# Altium PCB PLCC-RP2350B-PSRAM.PcbDoc (continued)
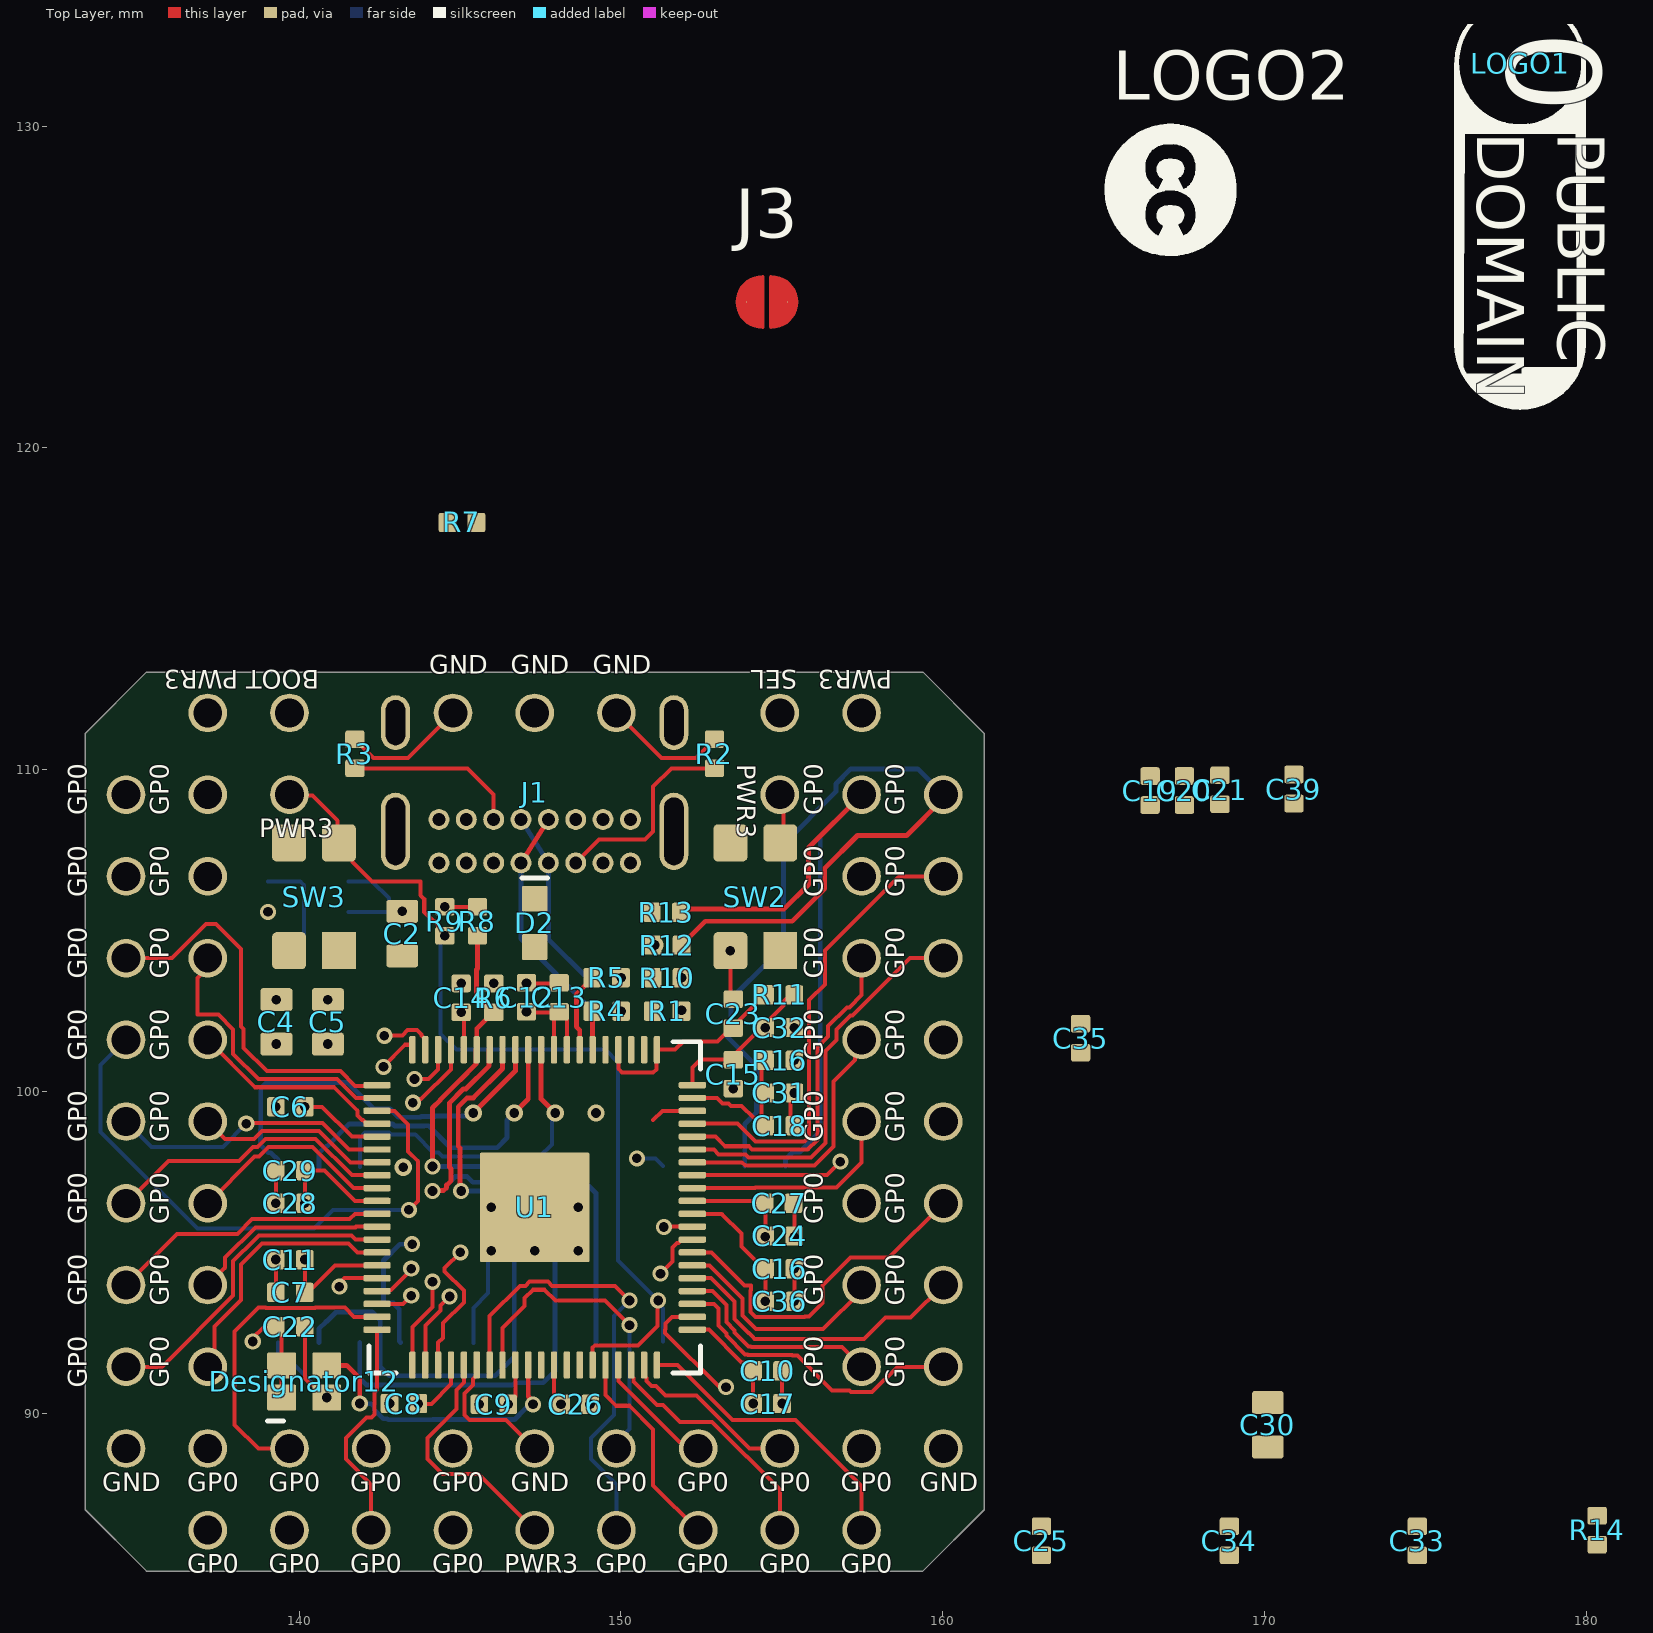
[diagram p0: Top Layer view]
## Footprints (in the part's own frame and the unit in brackets; to place one, negate y for a bottom-side part, rotate by r counter-clockwise, add the part's x,y. Pads: shape width x height; smd on the part's side, far side on the other; paste and mask are expansions set on the pad)
CAPC0402 [mm] "CAPACITOR, CHIP 0402 (1005) 0.5MM THICK"
  rrect25% 0.55x0.6 smd paste+0 mask+0.075: 1(-0.45,0) 2(0.45,0)
  body extent -0.51,-0.25 0.51,0.26, height 0.52
CAPC0603 [mm] "CAPACITOR, CHIP 0603 (1608) 0.5MM THICK"
  rrect25% 0.72x0.99 smd paste+0 mask+0.075: 1(-0.69,0) 2(0.69,0)
  body extent -0.81,-0.41 0.81,0.41, height 0.51
CONN-GCT-USB4085 [mm]
  rrect100% 0.9x2.4 hole 2.1 slot 0.6 at 0 deg paste-2539.97 mask+0: 1(-4.325,3.045) 2(4.325,3.045)
  rrect100% 0.9x1.7 hole 1.4 slot 0.6 at 0 deg paste-2539.97 mask+0: 3(-4.325,-0.335) 4(4.325,-0.335)
  round 0.65 hole 0.4 paste-2539.97 mask+0: A1(-2.975,4.025) A4(-2.125,4.025) A5(-1.275,4.025) A6(-0.425,4.025) A7(0.425,4.025) A8(1.275,4.025) A9(2.125,4.025) A12(2.975,4.025) B1(2.975,2.675) B4(2.125,2.675) B5(1.275,2.675) B6(0.425,2.675) B7(-0.425,2.675) B8(-1.275,2.675) B9(-2.125,2.675) B12(-2.975,2.675)
  body extent -4.87,-4.83 4.87,4.83, height 0.25
IND-ABRACON-ASPI-3012S-3R9N-T [mm]
  rrect8% 1.2x2.7 smd mask+0.05: 1(-1.1,0) 2(1.1,0)
  Top Layer keep-out region: -0.3,1.7 0.3,1.7 0.3,-1.7 -0.3,-1.7
  body extent -1.5,-1.5 1.5,1.5, height 1.51
LED-0603-BLUE [mm]
  rrect12% 0.8x0.8 smd paste+0 mask+0.05: 1(0.75,0) 2(-0.75,0)
  silkscreen extent 1.4,-0.4 1.4,0.4, body extent -0.8,-0.4 0.8,0.4, height 0.9
LOGO-LICENSE-CC [mm]
  silkscreen extent -2.08,-2.05 2.03,2.05
LOGO-LICENSE-CC0-PUBLIC [mm]
  silkscreen extent -1.97,-1.97 10.7,1.97
QFN40P1000X1000X90_HS-81N [mm] "QFN, 80-Leads, Body 10.00x10.00mm, Pitch 0.40mm, Thermal Pad 3.40x3.40mm, IPC Medium Density"
  rrect50% 0.85x0.2 smd mask+0.05: 1(-4.9,3.8) 2(-4.9,3.4) 3(-4.9,3) 4(-4.9,2.6) 5(-4.9,2.2) 6(-4.9,1.8) 7(-4.9,1.4) 8(-4.9,1) 9(-4.9,0.6) 10(-4.9,0.2) 11(-4.9,-0.2) 12(-4.9,-0.6) 13(-4.9,-1) 14(-4.9,-1.4) 15(-4.9,-1.8) 16(-4.9,-2.2) 17(-4.9,-2.6) 18(-4.9,-3) 19(-4.9,-3.4) 20(-4.9,-3.8) 41(4.9,-3.8) 42(4.9,-3.4) 43(4.9,-3) 44(4.9,-2.6) 45(4.9,-2.2) 46(4.9,-1.8) 47(4.9,-1.4) 48(4.9,-1) 49(4.9,-0.6) 50(4.9,-0.2) 51(4.9,0.2) 52(4.9,0.6) 53(4.9,1) 54(4.9,1.4) 55(4.9,1.8) 56(4.9,2.2) 57(4.9,2.6) 58(4.9,3) 59(4.9,3.4) 60(4.9,3.8)
  rrect50% 0.2x0.85 smd mask+0.05: 21(-3.8,-4.9) 22(-3.4,-4.9) 23(-3,-4.9) 24(-2.6,-4.9) 25(-2.2,-4.9) 26(-1.8,-4.9) 27(-1.4,-4.9) 28(-1,-4.9) 29(-0.6,-4.9) 30(-0.2,-4.9) 31(0.2,-4.9) 32(0.6,-4.9) 33(1,-4.9) 34(1.4,-4.9) 35(1.8,-4.9) 36(2.2,-4.9) 37(2.6,-4.9) 38(3,-4.9) 39(3.4,-4.9) 40(3.8,-4.9) 61(3.8,4.9) 62(3.4,4.9) 63(3,4.9) 64(2.6,4.9) 65(2.2,4.9) 66(1.8,4.9) 67(1.4,4.9) 68(1,4.9) 69(0.6,4.9) 70(0.2,4.9) 71(-0.2,4.9) 72(-0.6,4.9) 73(-1,4.9) 74(-1.4,4.9) 75(-1.8,4.9) 76(-2.2,4.9) 77(-2.6,4.9) 78(-3,4.9) 79(-3.4,4.9) 80(-3.8,4.9)
  rrect2% 3.4x3.4 smd paste-5 mask+0.05: 81(0,0)
  silkscreen extent -5.15,-5.15 5.15,5.15, body extent -5.01,-5.01 5.01,5.01, height 0.9
RESC0402 [mm] "RESISTOR, CHIP 0402 (1005)"
  rrect25% 0.55x0.6 smd paste+0 mask+0.075: 1(-0.45,0) 2(0.45,0)
  body extent -0.5,-0.25 0.5,0.25, height 0.27
SO127P600-8N [mm] "SO8"
  rrect25% 1.45x0.6 smd mask+0.075: 1(-2.725,1.905) 2(-2.725,0.635) 3(-2.725,-0.635) 4(-2.725,-1.905) 5(2.725,-1.905) 6(2.725,-0.635) 7(2.725,0.635) 8(2.725,1.905)
  silkscreen extent -3.55,2.62 -2.8,2.63, body extent -3.1,-2.5 3.1,2.5, height 1.75
SO127P790-8N [mm] "SO8"
  rrect25% 1.45x0.6 smd mask+0.075: 1(-3.575,1.905) 2(-3.575,0.635) 3(-3.575,-0.635) 4(-3.575,-1.905) 5(3.575,-1.905) 6(3.575,-0.635) 7(3.575,0.635) 8(3.575,1.905)
  silkscreen extent -4.4,2.62 -3.65,2.63, body extent -4,-2.65 4,2.65, height 2.16
SOLDERPAD-2 [mil]
  round 1 smd paste-99999 mask+2: 1(-25,0) 2(25,0)
  Top Layer region: 38.09,0 35.6,-12.51 28.52,-23.11 17.91,-30.19 5.41,-32.68 5.41,-32.68 4.49,-32.49 3.71,-31.97 3.18,-31.19 3,-30.27 3,-30.27 3,30.27 3.18,31.19 3.71,31.97 4.49,32.49 5.41,32.68 5.41,32.68 17.91,30.19 28.52,23.11 35.6,12.51 38.09,0
  Top Layer region: -38.09,0 -35.6,-12.51 -28.52,-23.11 -17.91,-30.19 -5.41,-32.68 -5.41,-32.68 -4.49,-32.49 -3.71,-31.97 -3.18,-31.19 -3,-30.27 -3,-30.27 -3,30.27 -3.18,31.19 -3.71,31.97 -4.49,32.49 -5.41,32.68 -5.41,32.68 -17.91,30.19 -28.52,23.11 -35.6,12.51 -38.09,0
SOT23-6 [mm] "SOT23 PACKAGE, 6 PIN (SOT26)"
  rrect25% 1.05x0.55 smd paste+0 mask+0.05: 1(-1.25,0.95) 2(-1.25,0) 3(-1.25,-0.95) 4(1.25,-0.95) 5(1.25,0) 6(1.25,0.95)
  silkscreen extent -1.88,1.58 -1.12,1.58, body extent -1.4,-1.45 1.4,1.45, height 1.45
SWITCH-PANASONIC-EVP-AA202K [mm] "SWITCH-PANASONIC-EVP-AA202K"
  rect 1.15x1.05 smd mask+0.075: 1(-1.675,-0.775)
  rrect25% 1.15x1.05 smd mask+0.075: 2(1.675,-0.775) 3(1.675,0.775) 4(-1.675,0.775)
  body extent -2.15,-1.55 2.15,1.55, height 1.71
XOSC-SCTF-SX1M12.000M10F30TNN [mm]
  rrect10% 0.9x0.8 smd paste+0 mask+0.05: 1(-0.7,-0.5) 2(0.7,-0.5) 3(0.7,0.5) 4(-0.7,0.5)
  silkscreen extent -1.15,-1.22 -0.64,-1.22, body extent -1,-0.8 1,0.8, height 0.76

## Part data
C1 C2 C4 C5 C30: library part CAPC-0603-22uF-16V-X5R, "CAPACITOR,CERAMIC,22uF,16V,X5R,0603", Capacitance=22uF, Dielectric=X5R, LCSC=C2762594, Package / Case=0603, Supplier Part Number 1=1276-7076-1-ND, Voltage=16V, Supplier 1=Digikey
C3 C6 C7 C8 C9 C10 C12 C13 C14 C15 C16 C18 C20 C22 C25 C27 C28 C35 C39: library part CAPC-0402-100nF-16V-X7R, "CAPACITOR,CERAMIC,100nF,16V,X7R,0402", Capacitance=100nF, Dielectric=X7R, LCSC=C60474, Package / Case=0402, Supplier Part Number 1=1292-1630-1-ND, Voltage=16V, Supplier 1=Digikey
C11 C17 C19 C21 C23 C24 C26 C29 C31 C32 C33 C34 C36: library part CAPC-0402-4u7-10V-X5R, "CAPACITOR,CERAMIC,4u7,10V,X5R,0402", Capacitance=4u7, Dielectric=X5R, LCSC=C1705, Package / Case=0603, Supplier Part Number 1=1276-1482-1-ND, Voltage=10V, Supplier 1=Digikey
D2: library part LED-WURTH-150060BS75000, "LED,BLUE,0603", LCSC=C965807, Supplier Part Number 1=732-4966-1-ND, Supplier 1=Digikey
J1: "CONN,USB-C,16P,RA,TH,8.94X9.17", LCSC=C36936564, Supplier Part Number 1=2073-USB4085-GF-ACT-ND, Supplier 1=Digikey
L1: library part IND-TAIYO-NRH3012T4R7MN, "IND,4.7uH,1.06A,3X3, NRH3012T4R7MN", LCSC=C5159666, Supplier Part Number 1=587-2591-1-ND, Supplier 1=Digikey
R1 R4 R5 R10: library part RESC-0402-27R-1%-1/10W, "RESISTOR,27R,1%,63mW,0402 (1005)", LCSC=C138021, Power=1/16W, Supplier Part Number 1=2577120, Tolerance=1%, Supplier 1="Future Electronics"
R2 R3: library part RESC-0402-5K1-1%-1/10W, "RESISTOR,5K1,1%,63mW,0402 (1005)", LCSC=C105872, Power=1/16W, Supplier Part Number 1=6053649, Tolerance=1%, Supplier 1="Future Electronics"
R6 R7: library part RESC-0402-1K-1%-1/10W, "RESISTOR,1K,1%,63mW,0402 (1005)", LCSC=C106235, Power=1/16W, Supplier Part Number 1=7825607, Tolerance=1%, Supplier 1="Future Electronics"
R8 R9 R14: library part RESC-0402-10K-1%-1/10W, "RESISTOR,10K,1%,63mW,0402 (1005)", LCSC=C60490, Power=1/16W, Supplier Part Number 1=3388022, Tolerance=1%, Supplier 1="Future Electronics"
R11 R16: library part RESC-0402-33R-1%-1/10W, "RESISTOR,33R,1%,63mW,0402 (1005)", LCSC=C138002, Power=1/16W, Supplier Part Number 1=8177883, Tolerance=1%, Supplier 1="Future Electronics"
R12 R13: library part RESC-0402-4K7-1%-1/10W, "RESISTOR,4K7,1%,63mW,0402 (1005)", LCSC=C105871, Power=1/16W, Supplier Part Number 1=3795218, Tolerance=1%, Supplier 1="Future Electronics"
SW2 SW3: "SW,SMD,TACT,4PIN,2.9X3.5,4PIN", LCSC=C483888, Supplier Part Number 1=667-EVP-AA202K, Supplier 1=Mouser
U1: "IC,CPU,RP2350B,QFN80", LCSC=C42415655
U2: library part IC-DIODES-AP63203Q, "IC,PMIC,STEP-DOWN, 2A 3.3V", LCSC=C780769, Supplier Part Number 1=31-AP63203QWU-7CT-ND, Supplier 1=Digikey
U3: library part IC-WINBOND-W25Q128JVSIQ, "IC,FLASH,QSPI,16Mx8", LCSC=C97521, Supplier Part Number 1=W25Q128JVSIQCT-ND, Supplier 1=Digikey
U5: library part IC-APMEMORY-APS6404L-3SQR-SN, "IC,PSRAM,QSPI,8Mx8,SO8", LCSC=C5333729, Supplier Part Number 1=878-APS6404L-3SQR-SN, Supplier 1=Mouser
U8: library part IC-ANALOG-DS3231M, "IC,RTC,I2C,DS3231M", LCSC=C107410, Supplier Part Number 1=700-DS3231MZ+TRL, Supplier 1=Mouser

## Free pads (board coordinates)
  round 1.2 hole 0.9: 1(147.32,86.36) 2(147.32,88.9) 3(149.86,86.36) 4(149.86,88.9) 5(152.4,86.36) 6(152.4,88.9) 7(154.94,86.36) 8(154.94,88.9) 9(157.48,86.36) 10(160.02,88.9) 11(157.48,88.9) 12(160.02,91.44) 13(157.48,91.44) 14(160.02,93.98) 15(157.48,93.98) 16(160.02,96.52) 17(157.48,96.52) 18(160.02,99.06) 19(157.48,99.06) 20(160.02,101.6) 21(157.48,101.6) 22(160.02,104.14) 23(157.48,104.14) 24(160.02,106.68) 25(157.48,106.68) 26(160.02,109.22) 27(157.48,111.76) 28(157.48,109.22) 29(154.94,111.76) 30(154.94,109.22) 33(149.86,111.76) 35(147.32,111.76) 37(144.78,111.76) 41(139.7,111.76) 42(139.7,109.22) 43(137.16,111.76) 44(134.62,109.22) 45(137.16,109.22) 46(134.62,106.68) 47(137.16,106.68) 48(134.62,104.14) 49(137.16,104.14) 50(134.62,101.6) 51(137.16,101.6) 52(134.62,99.06) 53(137.16,99.06) 54(137.16,96.52) 55(134.62,96.52) 56(134.62,93.98) 57(137.16,93.98) 58(134.62,91.44) 59(137.16,91.44) 60(134.62,88.9) 61(137.16,86.36) 62(137.16,88.9) 63(139.7,86.36) 64(139.7,88.9) 65(142.24,86.36) 66(142.24,88.9) 67(144.78,86.36) 68(144.78,88.9)

## Via types
v1: diameter 0.5, hole 0.3, Top Layer to Bottom Layer, 38 vias
v2: diameter 0.54, hole 0.3, Top Layer to Bottom Layer, tented both sides, 38 vias
v3: diameter 0.6, hole 0.3, Top Layer to Bottom Layer, 5 vias

## Nets (pads, with @x,y where several pads share a name; then routed paths per layer and width w, separated by ;. In a path a pad name is that pad's centre, name@x,y a point inside that pad or via, vN(x,y) a via of type N, cw(c..) or ccw(c..) an arc to the next point about the centre after c; other vN are vias at no path point)
BOOT: pad.30 R6.1 SW2.2 | length 15.4
  Top Layer w0.125: pad.30 155.055,109.22 SW2.2@155.055,107.441
  Layer 1 w0.15: v2(146.05,103.354) 146.05,104.521 147.193,105.664 153.928,105.664 154.94,106.676 pad.30
EXTVBAT: C35.1 U8.6
GND: C1.2 C2.2 C4.2 C5.2 C6.2 C7.2 C8.2 C9.2 C10.2 C11.2 C14.2 C15.2 C16.2 C17.2 C18.2 C19.2 C20.2 C21.2 C22.2 C23.2 C24.2 C25.2 C26.2 C27.2 C28.2 C29.2 C31.2 C32.2 C33.2 C34.2 C35.2 C36.2 C39.2 D2.1 Designator12.2 J1.A1 J1.A12 J1.B1 J1.B12 pad.10 pad.33 pad.35 pad.37 pad.60 R1.2 R2.2 R3.2 R10.2 SW2.4 SW3.4 U1.81 U2.4 U3.4 U5.4 U8.5 | length 29.5
  Top Layer w0.125: C7.2@139.275,93.647 C11.2@139.275,94.663 ; v2(139.275,96.52) C29.2 ; C22.2 140.175,91.073 140.353,90.895 140.396,90.895 140.47,90.822 140.47,90.82 140.807,90.483 v1(140.857,90.483) ; R3.2 141.754,110.94 141.966,110.728 141.966,110.706 142.309,110.363 143.383,110.363 pad.37 ; pad.33 151.257,110.363 152.331,110.363 152.674,110.706 152.674,110.728 152.886,110.94 R2.2 ; C23.2@153.403,102.756 v2(153.403,104.37) ; C23.2@153.403,103.01 C23.2@153.543,102.87 ; v1(155.009,90.297) C10.2 ; C18.2@155.263,98.933 C31.2@155.263,99.949 ; v2(155.39,93.472) v2(155.39,94.488) ; C24.2 C27.2@155.39,96.52
  Layer 1 w0.125: 139.275,94.132 139.275,96.088 139.275,98.984
  Bottom Layer w0.125: U5.4 139.344,91.834 139.581,91.597 139.743,91.597 v1(140.857,90.483) ; U3.4 145.415,93.269 145.872,93.726 145.872,94.732 145.879,94.739 145.879,94.952 v3(145.97,95.043) ; v1(150.495,97.917) 151.071,97.917 151.308,97.68 U8.5
  other v1: 139.294,102.849 140.894,102.849 139.034,105.578
  other v2: 145.6,90.272 149.04,90.272 142.806,90.297 139.275,94.772 155.39,95.479 139.275,99.517 155.39,99.949 153.492,100.083 155.39,101.981 151.885,102.514 145.034,103.354 151.885,103.53
  other v3: 147.32,95.043 148.67,95.043 145.97,96.393 148.67,96.393
GP0: pad.44 U1.77 | length 18.7
  Top Layer w0.125: v1(143.535,99.644) 143.637,99.644 143.747,99.754 143.794,99.754 144.72,100.68 U1.77
  Layer 2 w0.125: pad.44 136.046,109.22 136.834,110.008 137.486,110.008 144.024,103.47 144.024,100.082 143.586,99.644 v1(143.535,99.644)
GP1: pad.45 U1.78 | length 13.7
  Top Layer w0.125: v1(143.586,100.381) 144.018,100.381 144.32,100.683 U1.78
  Layer 2 w0.125: pad.45 137.16,108.458 137.647,107.971 138.076,107.971 139.477,106.57 139.589,106.57 141.19,104.969 141.658,104.969 141.866,104.969 142.896,103.938 142.896,102.722 143.586,102.032 v1(143.586,100.381)
GP2: pad.46 U1.79 | length 14
  Top Layer w0.125: v1(142.646,101.727) 142.659,101.74 143.206,101.74 143.372,101.905 143.668,101.905 143.808,101.766 143.808,101.729 143.881,101.655 143.883,101.655 143.92,101.618 U1.79
  Layer 2 w0.125: pad.46 135.661,107.721 137.973,107.721 139.374,106.32 139.485,106.32 141.087,104.719 141.762,104.719 142.646,103.835 v1(142.646,101.727)
GP3: pad.47 U1.80 | length 10.6
  Top Layer w0.125: v1(142.621,100.762) 142.621,100.778 143.291,101.448 143.482,101.448 143.52,101.41 U1.80
  Layer 2 w0.125: pad.47 137.77,106.07 139.382,106.07 142.037,103.415 142.037,101.045 142.32,100.762 v1(142.621,100.762)
GP4: pad.48 U1.1 | length 12.1
  Top Layer w0.125: pad.48 136.046,104.14 137.112,105.206 137.415,105.206 138.198,104.423 138.198,102.01 138.278,101.93 138.278,101.346 138.997,100.627 141.284,100.627 141.739,100.172 142.399,100.172 U1.1
GP5: pad.49 U1.2 | length 9
  Top Layer w0.125: pad.49 137.16,103.855 136.834,103.529 136.834,102.388 137.486,102.388 137.948,101.926 137.948,101.166 138.737,100.377 141.181,100.377 141.635,99.922 141.764,99.793 U1.2
GP6: pad.50 U1.3 | length 18.3
  Top Layer w0.125: U1.3 142.956,99.393 143.378,98.971 143.378,98.137 143.688,97.827 143.688,96.597 v1(143.408,96.317)
  Bottom Layer w0.125: pad.50 133.832,100.812 133.832,98.734 136.834,95.732 140.467,95.732 141.051,96.317 v1(143.408,96.317)
GP7: pad.51 U1.4 | length 6.4
  Top Layer w0.125: pad.51 138.633,100.127 141.077,100.127 141.807,99.396 141.807,99.245 141.947,99.105 141.984,99.105 142.058,99.032 142.058,99.031 142.095,98.993 U1.4
GP8: pad.52 U1.6 | length 8.8
  Top Layer w0.125: v1(138.355,98.996) 138.381,99.023 140.72,99.023 141.549,98.193 U1.6
  Bottom Layer w0.125: pad.52 135.407,98.272 137.631,98.272 v1(138.355,98.996)
GP9: pad.53 U1.7 | length 6
  Top Layer w0.125: pad.53 137.697,98.523 138.597,98.523 138.847,98.773 140.616,98.773 141.596,97.793 U1.7
GP10: pad.55 U1.8 | length 9.1
  Top Layer w0.125: pad.55 135.942,97.842 138.128,97.842 138.559,98.273 138.7,98.273 138.95,98.523 140.513,98.523 141.642,97.393 U1.8
GP11: pad.54 U1.9 | length 6.5
  Top Layer w0.125: pad.54 138.608,97.968 138.749,97.968 139.054,98.273 140.409,98.273 141.689,96.993 U1.9
GP12: pad.56 U1.11 | length 8.7
  Top Layer w0.125: pad.56 136.208,95.568 138.083,95.568 138.54,96.025 141.57,96.025 141.738,96.193 U1.11
GP13: pad.57 U1.12 | length 6.2
  Top Layer w0.125: pad.57 137.697,94.517 137.697,94.829 138.644,95.775 141.744,95.775 141.762,95.793 U1.12
GP14: pad.58 U1.13 | length 10.2
  Top Layer w0.125: pad.58 135.734,91.44 137.948,93.654 137.948,93.958 137.948,94.471 137.948,94.725 138.621,95.398 138.748,95.525 141.632,95.525 141.759,95.398 141.764,95.393 141.786,95.393 U1.13
GP15: pad.59 U1.14 | length 8.2
  Top Layer w0.125: pad.59 137.363,91.643 137.363,92.685 138.198,93.519 138.198,94.622 138.851,95.275 141.528,95.275 141.811,94.993 U1.14
GP16: pad.61 U1.16 | length 13.5
  Top Layer w0.125: v1(141.249,93.929) 141.249,94.031 141.412,94.193 U1.16
  Layer 1 w0.125: pad.61 137.16,87.786 136.372,88.574 136.372,90.76 136.122,91.01 136.122,92.336 136.471,92.685 136.937,92.685 137.423,93.17 137.463,93.17 137.641,93.347 140.45,93.347 140.961,93.857 141.178,93.857 v1(141.249,93.929)
GP17: pad.62 U1.17 | length 12.8
  Top Layer w0.125: U1.17 142.458,93.83 142.852,93.83 143.485,94.463 v1(143.485,94.488)
  Layer 1 w0.125: pad.62 137.16,90.326 136.372,91.114 136.372,91.766 137.526,92.92 140.586,92.92 141.158,93.492 141.431,93.492 141.825,93.886 142.883,93.886 v1(143.485,94.488)
GP18: pad.63 U1.18 | length 12.2
  Top Layer w0.125: U1.18 143.228,93.393 v1(143.485,93.65)
  Layer 1 w0.125: pad.63 138.448,87.612 138.448,90.573 139.344,91.47 139.978,91.47 141.65,93.142 142.977,93.142 v1(143.485,93.65)
GP19: pad.64 U1.19 | length 9.8
  Top Layer w0.125: pad.64 138.735,88.9 137.998,89.637 137.998,92.532 138.742,93.277 138.95,93.277 138.963,93.264 140.488,93.264 140.501,93.277 141.426,93.277 141.71,92.993 U1.19
GP20: pad.65 U1.20 | length 7.1
  Top Layer w0.125: pad.65 142.24,87.786 141.452,88.574 141.452,89.226 142.092,89.865 142.249,89.865 142.343,89.96 142.343,90.634 142.42,90.711 U1.20
GP21: pad.66 U1.21 | length 9.6
  Top Layer w0.125: U1.21 143.52,92.669 144.145,93.294 v1(144.145,94.082)
  Layer 1 w0.125: pad.66 142.963,88.9 144.161,90.097 144.161,90.289 144.168,90.297 144.168,92.179 143.714,92.633 143.714,92.736 144.145,93.167 v1(144.145,94.082)
GP22: pad.67 U1.22 | length 10.3
  Top Layer w0.125: U1.22 143.92,92.716 144.395,93.191 144.395,93.341 v1(144.678,93.624)
  Layer 2 w0.125: v1(144.678,93.624) 144.35,93.296 144.35,89.584 143.992,89.226 143.992,87.148 pad.67
GP23: pad.68 U1.23 | length 11
  Top Layer w0.125: U1.23 144.32,92.19 144.47,92.34 144.47,92.797 145.116,93.443 145.116,93.806 144.519,94.403 144.519,94.506 v1(145.009,94.996)
  Layer 2 w0.125: pad.68 144.78,89.737 144.66,89.857 144.66,92.987 145.116,93.443 145.116,93.806 144.642,94.279 144.642,94.63 v1(145.009,94.996)
GP24: pad.1 U1.25 | length 7.6
  Top Layer w0.125: U1.25 145.12,90.945 144.887,90.713 144.887,90.121 143.992,89.226 143.992,88.574 144.454,88.112 145.568,88.112 pad.1
GP25: pad.2 U1.26 | length 4.3
  Top Layer w0.125: U1.26 145.52,91.168 145.483,91.131 145.481,91.131 145.408,91.057 145.408,90.879 145.137,90.609 145.137,89.934 145.288,89.784 146.436,89.784 pad.2
GP26: pad.3 U1.27 | length 14.5
  Top Layer w0.125: U1.27 145.92,93.012 146.863,93.955 147.034,93.955 147.162,94.083 147.732,94.083 147.86,93.955 149.809,93.955 v1(150.266,93.497)
  Bottom Layer w0.125: pad.3 149.86,87.786 149.072,88.574 149.072,89.226 149.784,89.937 149.784,93.015 v1(150.266,93.497)
GP27: pad.4 U1.28 | length 10.2
  Top Layer w0.125: U1.28 146.32,92.64 147.009,93.33 147.009,93.577 147.266,93.833 147.628,93.833 147.964,93.497 149.504,93.497 v1(150.266,92.735)
  Bottom Layer w0.125: pad.4 149.86,89.097 150.266,89.504 v1(150.266,92.735)
GP28: pad.5 U1.36 | length 6.6
  Top Layer w0.125: U1.36 149.52,90.561 149.852,90.228 150.266,90.228 151.003,89.492 151.003,87.757 pad.5
GP29: pad.6 U1.37 | length 3.8
  Top Layer w0.125: U1.37 149.928,91.485 149.928,90.991 151.818,89.101 152.199,89.101 pad.6
GP30: pad.7 U1.38 | length 7.7
  Top Layer w0.125: U1.38 150.345,91.468 150.345,91.143 150.395,91.093 150.395,90.98 151.124,90.251 151.303,90.251 151.829,89.725 152.824,89.725 153.899,88.65 153.92,88.65 154.94,87.63 pad.7
GP31: pad.8 U1.39 | length 5.5
  Top Layer w0.125: U1.39 150.72,91.168 150.795,91.093 150.795,91.004 150.956,90.843 151.092,90.843 151.384,90.551 152.351,90.551 154.002,88.9 pad.8
GP32: pad.9 U1.40 | length 9.3
  Top Layer w0.125: U1.40 151.763,91.493 153.467,89.789 155.424,89.789 157.48,87.733 pad.9
GP33: pad.11 U1.42 | length 9
  Top Layer w0.125: U1.42 151.591,92.993 151.38,92.782 151.38,92.606 151.371,92.598 151.371,92.494 153.06,90.805 v1(153.264,90.805)
  Layer 1 w0.125: v1(153.264,90.805) 153.671,90.397 153.671,90.116 154.1,89.688 156.692,89.688 pad.11
GP34: pad.12 U1.43 | length 9.6
  Top Layer w0.125: U1.43 152.892,93.393 153.027,93.257 153.027,92.72 153.277,92.47 153.277,92.406 153.858,91.825 153.927,91.825 153.951,91.801 155.321,91.801 155.334,91.788 155.481,91.788 156.566,90.703 157.103,90.703 157.154,90.652 157.806,90.652 158.594,91.44 pad.12
GP35: pad.13 U1.44 | length 6.6
  Top Layer w0.125: U1.44 152.845,93.793 153.277,93.361 153.277,92.824 153.527,92.574 153.527,92.509 153.962,92.075 154.03,92.075 154.055,92.051 154.324,92.051 155.425,92.051 155.426,92.05 156.87,92.05 pad.13
GP36: pad.14 U1.45 | length 9.6
  Top Layer w0.125: U1.45 152.799,94.193 153.527,93.464 153.527,92.928 153.97,92.484 153.974,92.484 154.1,92.358 ; 154.101,92.358 154.158,92.301 157.553,92.301 158.217,92.964 159.004,92.964 pad.14
GP37: pad.15 U1.46 | length 7.1
  Top Layer w0.125: U1.46 152.752,94.593 153.777,93.568 153.777,93.031 154.074,92.734 154.077,92.734 154.203,92.608 156.286,92.608 157.48,93.802 pad.15
GP38: pad.16 U1.47 | length 10.9
  Top Layer w0.125: U1.47 152.811,94.993 153.57,94.234 153.57,94.224 153.835,93.96 154.04,93.96 154.04,93.822 154.027,93.809 154.027,93.135 154.178,92.984 155.702,92.984 155.715,92.997 155.84,92.997 156.264,93.421 156.264,93.959 157.14,94.836 158.336,94.836 pad.16
GP39: pad.17 U1.48 | length 8.8
  Top Layer w0.125: v1(151.232,94.336) 151.607,94.711 151.607,95.141 151.747,95.28 151.784,95.28 151.858,95.354 151.858,95.356 151.895,95.393 U1.48
  Layer 1 w0.125: v1(151.232,94.336) 152.846,94.336 153.463,94.952 155.912,94.952 pad.17
GP40: pad.18 U1.49 | length 11.3
  Top Layer w0.125: v1(151.333,95.783) 151.343,95.793 U1.49
  Layer 1 w0.125: v1(151.333,95.783) 154.122,95.783 154.318,95.979 155.547,95.979 155.987,96.419 156.258,96.419 157.405,97.565 157.99,97.565 158.619,98.194 158.619,98.78 158.899,99.06 pad.18
GP41: pad.19 U1.52 | length 6.9
  Top Layer w0.125: U1.52 154.163,96.993 154.178,97.008 156.698,97.008 157.48,97.79 pad.19
GP42: pad.20 U1.53 | length 10.5
  Top Layer w0.125: U1.53 156.397,97.393 v1(156.82,97.815)
  Layer 1 w0.125: v1(156.82,97.815) 157.886,97.815 158.369,98.298 158.369,99.949 pad.20
GP43: pad.21 U1.54 | length 8.3
  Top Layer w0.125: U1.54 153.769,97.793 153.867,97.695 156.013,97.695 156.603,98.285 156.603,100.305 157.274,100.976 157.274,101.394 pad.21
GP44: pad.22 U1.55 | length 12.3
  Top Layer w0.125: U1.55 152.886,98.193 153.036,98.043 153.873,98.043 153.971,97.945 155.91,97.945 156.353,98.389 156.353,101.26 156.692,101.6 156.692,101.926 157.128,102.362 157.201,102.362 158.979,104.14 pad.22
GP45: pad.23 U1.56 | length 10.4
  Top Layer w0.125: U1.56 152.941,98.593 153.241,98.293 153.977,98.293 154.074,98.195 155.806,98.195 156.103,98.492 156.103,101.363 156.442,101.703 156.442,102.03 157.025,102.612 157.097,102.612 157.48,102.995 pad.23
GP46: pad.24 R7.1 U1.57 | length 14.5
  Top Layer w0.125: U1.57 153.63,98.993 154.178,98.445 155.702,98.445 155.853,98.596 155.853,102.84 156.337,103.324 156.337,104.37 158.647,106.68 pad.24
NetC18_1: C18.1 C31.1 R16.1 U1.59 | length 4.5
  Top Layer w0.125: U1.59 152.983,99.793 153.155,99.621 153.338,99.621 153.416,99.543 153.753,99.543 154.129,99.167 154.151,99.167 C18.1@154.363,98.955 ; C18.1@154.363,98.933 R16.1@154.363,100.965
NetC30_1: C30.1 L1.1 U2.5 | length 3.7
  Bottom Layer w0.125: U2.5 140.034,106.528 140.157,106.405 L1.1
NetC30_2: C30.2 U2.6
NetD2_2: D2.2 R7.2
NetJ1_A5: J1.A5 R2.1 | length 6.3
  Top Layer w0.125: J1.A5 149.318,107.823 150.749,107.823 151.003,108.077 151.003,109.474 151.569,110.04 R2.1
NetJ1_B5: J1.B5 R3.1 | length 5.4
  Top Layer w0.125: R3.1 145.23,110.04 146.045,109.225 J1.B5
P1V1: C24.1 C25.1 C26.1 C27.1 C28.1 C29.1 U1.10 U1.32 U1.51 | length 32.3
  Top Layer w0.125: v2(140.175,96.52) C29.1 140.792,97.536 141.735,96.593 U1.10 ; U1.32 147.92,90.272 v2(148.14,90.272) ; U1.51 154.417,96.593 154.49,96.52 C24.1
  Layer 2 w0.125: 140.175,96.088 142.707,98.62 148.395,98.62 149.225,97.79 149.225,97.028 150.241,96.012 150.241,94.742 ; v2(148.14,90.272) 148.14,92.641 150.241,94.742 ; v2@154.49,95.504 153.728,94.742 151.444,94.742 151.413,94.773 151.05,94.773 151.019,94.742 150.241,94.742
  other v2: 154.49,95.479
P3V3: C6.1 C7.1 C8.1 C9.1 C10.1 C11.1 C12.1 C13.1 C14.1 C15.1 C16.1 C17.1 C19.1 C20.1 C21.1 C22.1 C32.1 C33.1 C34.1 C36.1 C39.1 Designator12.1 Designator12.4 J3.1 pad.27 pad.43 R8.2 R9.2 R11.1 R12.1 R13.1 R14.2 R16.2 U1.5 U1.15 U1.24 U1.29 U1.41 U1.50 U1.60 U1.68 U1.69 U1.76 U3.8 U5.8 U8.2 | length 30.7
  Top Layer w0.125: v1(138.557,92.227) 138.557,92.329 138.886,92.658 139.249,92.658 C22.1 139.457,92.503 Designator12.4 Designator12.1 ; C7.1@140.175,93.647 C11.1@140.175,94.663 ; C7.1@140.175,93.669 140.387,93.881 140.409,93.881 141.121,94.593 U1.15 ; v2(140.175,99.517) 140.713,99.517 141.637,98.593 U1.5 ; v2(143.703,90.287) 144.108,90.287 144.72,90.899 U1.24 ; v1(144.526,105.733) R8.2 ; C14.1@145.11,102.454 145.12,102.444 U1.76 ; v2(146.5,90.272) 146.5,90.3 146.72,90.52 U1.29 ; C12.1@147.066,102.454 C13.1@147.92,102.454 ; U1.69 C13.1@147.92,102.291 ; C13.1@148.082,102.454 148.32,102.454 U1.68 ; U1.41 152.737,92.593 153.755,91.575 153.823,91.575 153.852,91.547 153.897,91.547 154.109,91.335 C10.1 ; U1.50 153.133,96.193 153.746,95.58 153.746,95.174 154.198,94.722 154.278,94.722 154.49,94.51 v2(154.49,93.472) ; U1.60 152.22,100.734 152.469,100.983 C15.1 ; C15.1@153.238,100.856 154.129,101.747 154.151,101.747 154.363,101.959 C32.1@154.363,101.981 ; v1(154.109,90.297) C10.1@154.109,91.262 ; C32.1@154.363,102.003 154.575,102.215 154.597,102.215 155.054,102.672 155.054,102.788 R11.1@155.263,102.997 ; v2(154.49,101.981) C32.1@154.49,102.003
  other v2: 140.175,94.772 143.231,97.638 149.225,99.327 155.39,100.965 145.034,102.454 147.066,102.471 151.056,104.546
P3V3OUT: C4.1 C5.1 J3.2 L1.2 pad.41 U2.1
  other v1: 139.294,101.469 140.894,101.469
P_N: J1.A7 J1.B7 R1.1 R4.1
  other v2: 150.003,102.489
P_P: J1.A6 J1.B6 R5.1 R10.1
  other v2: 150.005,103.53
PSRAM: R14.1 U1.58 U5.1 | length 5.3
  Top Layer w0.125: 151.003,99.111 151.285,99.393 U1.58
  Bottom Layer w0.15: U5.1 143.112,92.237 143.112,93.234 142.929,93.417 142.702,93.417 142.621,93.497 142.621,94.742 143.129,95.25 v1(143.51,95.25)
QCLK: U1.71 U3.6 U5.6 | length 10.1
  Top Layer w0.15: v2(146.685,99.327) 147.12,99.762 U1.71
  Bottom Layer w0.15: U5.6 140.614,98.07 140.839,98.295 140.867,98.295 141.561,98.988 142.905,98.988 142.974,98.919 143.887,98.919 143.897,98.93 144.021,98.93 144.704,98.247 146.152,98.247 146.46,98.556 146.46,99.102 v2(146.685,99.327)
QSD0: U1.72 U3.5 U5.5 | length 12.4
  Top Layer w0.15: v2(145.415,99.327) 146.72,100.632 U1.72
  Bottom Layer w0.15: U5.5 139.344,97.867 139.119,98.092 139.044,98.092 138.794,98.342 138.794,98.799 138.805,98.81 138.805,100.096 138.989,100.279 141.5,100.279 142.32,99.459 142.823,99.459 143.088,99.194 143.773,99.194 143.798,99.22 144.23,99.22 144.248,99.238 145.326,99.238 v2(145.415,99.327)
QSD1: U1.74 U3.2 U5.2 | length 22.2
  Top Layer w0.15: v1(144.145,96.901) 144.166,96.922 144.496,96.922 144.584,97.009 144.584,97.087 144.722,97.225 144.722,97.595 144.67,97.647 144.67,99.635 145.106,100.072 145.182,100.072 145.905,100.794 145.905,101.278 U1.74
  Bottom Layer w0.15: U5.2 141.884,91.08 142.095,90.87 142.605,90.87 146.649,90.87 146.72,90.942 147.584,90.942 147.955,91.313 U3.2 147.955,96.088 147.15,96.893 146.701,96.893 146.418,97.176 145.395,97.176 145.22,97.351 144.848,97.351 144.584,97.087 144.584,97.009 144.496,96.922 144.166,96.922 v1(144.145,96.901)
QSD2: U1.73 U3.3 U5.3 | length 20.3
  Top Layer w0.15: v1(145.034,96.901) 144.997,96.938 144.997,98.238 144.945,98.29 144.945,99.521 145.22,99.797 145.415,99.797 146.32,100.702 U1.73
  Bottom Layer w0.15: U5.3 140.614,92.62 140.839,92.845 140.851,92.845 141.148,93.142 142.271,93.142 142.519,92.894 142.519,91.44 142.799,91.161 146.094,91.161 146.685,91.752 U3.3 146.685,96.52 146.304,96.901 v1(145.034,96.901)
QSD3: U1.70 U3.7 U5.7 | length 10.6
  Top Layer w0.15: U1.70 147.52,99.762 v2(147.955,99.327)
  Bottom Layer w0.125: U5.7 141.884,98.557 142.053,98.726 142.796,98.726 142.865,98.657 143.609,98.657 144.165,98.101 144.326,98.101 144.459,97.968 147.472,97.968 147.853,98.349 147.853,99.225 v2(147.955,99.327)
QSS: R6.2 R8.1 U1.75 U3.1 | length 18.3
  Top Layer w0.15: v1(144.145,97.663) 144.145,99.492 144.395,99.742 144.395,99.749 144.993,100.347 145,100.347 145.495,100.842 145.495,101.268 U1.75 145.52,101.949 145.825,102.254 145.85,102.254 R6.2 145.517,102.987 145.517,103.784 145.542,103.81 R8.1
  Bottom Layer w0.15: v1(144.145,97.663) 148.4,97.663 149.225,96.838 U3.1
RST: pad.42 R9.1 SW3.2 U1.35 U8.4 | length 29.5
  Top Layer w0.125: pad.42 139.728,109.192 140.414,109.192 141.197,108.409 141.197,107.76 SW3.2 141.657,107.3 141.657,107.133 142.262,106.528 143.771,106.528 143.771,106.093 143.888,105.977 143.888,105.571 144.189,105.27 144.226,105.27 144.32,105.177 144.32,105.039 v1(144.526,104.833) ; U1.35 149.12,92.032 149.194,92.106 150.526,92.106 151.13,92.71 151.13,93.472 v1(151.155,93.497)
  Bottom Layer w0.125: v1@144.399,104.833 144.399,101.778 144.884,101.293 149.52,101.293 149.911,100.902 149.911,94.742 v1(151.155,93.497) 151.155,93.396 151.308,93.244 U8.4
RTCINT: U8.3
SCL: pad.28 R13.2 U8.8 | length 20.4
  Top Layer w0.15: R13.2@151.91,105.664 155.067,105.664 155.829,106.426 155.829,107.569 pad.28
  Bottom Layer w0.15: U8.8 155.118,97.89 155.343,98.115 155.555,98.115 156.192,98.752 156.192,107.932 pad.28
SDA: pad.26 R12.2 U8.7 | length 28.6
  Top Layer w0.15: R12.2 151.885,104.571 152.085,104.771 152.11,104.771 152.621,105.283 155.321,105.283 156.337,106.299 156.337,106.934 157.353,107.95 158.877,107.95 160.02,109.093 pad.26
  Bottom Layer w0.15: 153.416,103.124 153.416,102.87 ; U8.7 153.848,98.984 154.215,99.351 154.215,100.784 153.3,101.699 153.3,101.823 153.416,101.938 153.416,102.87 ; pad.26 159.22,110.02 157.149,110.02 156.68,109.551 156.68,109.309 155.055,107.684 155.055,104.178 154.967,104.091 154.637,104.091 153.416,102.87
SHLD: J1.1 J1.2 J1.3 J1.4
SWCLK: U1.33
SWD: U1.34
U_N: R4.2 U1.66 | length 1.2
  Top Layer w0.15: U1.66 R4.2@149.12,102.515 ; R4.2@149.129,102.522 R4.2@149.136,102.515
U_P: R5.2 U1.67 | length 2.4
  Top Layer w0.15: U1.67 148.72,101.902 148.615,102.006 148.615,103.015 148.906,103.305 R5.2@149.055,103.454
VBUS: C1.1 C2.1 J1.A4 J1.A9 J1.B4 J1.B9 pad.29 U2.2 U2.3 | length 3.8
  Bottom Layer w0.125: U2.3 143.191,105.578 v1(143.205,105.592) 143.092,105.592 142.796,105.887 142.796,106.001 142.27,106.528 U2.2
VRA: C23.1 R11.2 U1.61 U1.64 | length 6.7
  Top Layer w0.125: U1.64 149.92,100.702 150.038,100.584 151.003,100.584 151.105,100.686 151.105,101.278 U1.61 151.687,101.293 151.944,101.55 153.003,101.55 153.259,101.805 153.259,101.827 153.471,102.039 C23.1@153.492,102.039 ; C23.1@153.504,102.027 154.296,102.818 154.489,102.818 R11.2@154.667,102.997
XIN: Designator12.3 U1.30 | length 9.1
  Top Layer w0.15: Designator12.3 141.482,91.483 141.884,91.08 v1(141.884,90.297) ; U1.30 147.12,90.516 147.269,90.366 v1(147.269,90.272)
  Bottom Layer w0.15: v1(141.884,90.297) 141.892,90.289 142.248,90.289 142.336,90.201 142.336,90.102 142.611,89.827 142.736,89.827 142.771,89.792 144.152,89.792 144.162,89.802 146.695,89.802 147.031,90.138 147.041,90.138 147.174,90.272 v1(147.269,90.272)
pads on no net: C3.1 C3.2 C12.2 C13.2 J1.A8 J1.B8 SW2.1 SW2.3 SW3.1 SW3.3 U1.31 U1.62 U1.63 U1.65 U8.1
copper on no net: | length 13.8
  Top Layer w0.125: v2(147.066,103.354) 148.077,103.354
  Top Layer w0.15: 146.895,107.1 147.745,108.45
  Bottom Layer w0.15: 146.895,107.1 146.895,104.74 149.113,102.522 ; 146.895,108.45 147.745,107.1 147.745,104.731 148.938,103.538

## Polygon pours and split planes (outlines as drawn)
GND on Layer 1 "NONET_L02_P001" (solid, shelved, pour order 1): 133.35,85.09 161.29,85.09 161.29,113.03 133.35,113.03
P3V3 on Layer 2 "NONET_L03_P000" (solid, shelved, pour order 0): 133.35,113.03 133.35,85.09 161.29,85.09 161.29,113.03

## Silkscreen, mask and mechanical layers (free items; w line width, h text height)
Top Overlay:
  text "PWR3" at 138.106,113.289 h1 r180
  text "BOOT" at 140.626,113.289 h1 r180
  text "SEL" at 155.482,113.289 h1 r180
  text "PWR3" at 158.426,113.289 h1 r180
  text "GND" at 144.043,112.771 h1
  text "GND" at 146.583,112.771 h1
  text "GND" at 149.123,112.771 h1
  text "PWR3" at 153.411,110.166 h1 r270
  text "GP0" at 133.609,108.575 h1 r90
  text "GP0" at 136.149,108.575 h1 r90
  text "GP0" at 156.469,108.575 h1 r90
  text "GP0" at 159.009,108.575 h1 r90
  text "PWR3" at 138.754,107.691 h1
  text "GP0" at 133.609,106.035 h1 r90
  text "GP0" at 136.149,106.035 h1 r90
  text "GP0" at 156.469,106.035 h1 r90
  text "GP0" at 159.009,106.035 h1 r90
  text "GP0" at 133.609,103.495 h1 r90
  text "GP0" at 136.149,103.495 h1 r90
  text "GP0" at 156.469,103.495 h1 r90
  text "GP0" at 159.009,103.495 h1 r90
  text "GP0" at 133.609,100.955 h1 r90
  text "GP0" at 136.149,100.955 h1 r90
  text "GP0" at 156.469,100.955 h1 r90
  text "GP0" at 159.009,100.955 h1 r90
  text "GP0" at 133.609,98.415 h1 r90
  text "GP0" at 136.149,98.415 h1 r90
  text "GP0" at 156.469,98.415 h1 r90
  text "GP0" at 159.009,98.415 h1 r90
  text "GP0" at 133.609,95.875 h1 r90
  text "GP0" at 136.149,95.875 h1 r90
  text "GP0" at 156.469,95.875 h1 r90
  text "GP0" at 159.009,95.875 h1 r90
  text "GP0" at 133.609,93.335 h1 r90
  text "GP0" at 136.149,93.335 h1 r90
  text "GP0" at 156.469,93.335 h1 r90
  text "GP0" at 159.009,93.335 h1 r90
  text "GP0" at 133.609,90.795 h1 r90
  text "GP0" at 136.149,90.795 h1 r90
  text "GP0" at 156.469,90.795 h1 r90
  text "GP0" at 159.009,90.795 h1 r90
  text "GND" at 133.883,87.371 h1
  text "GP0" at 136.515,87.371 h1
  text "GP0" at 139.055,87.371 h1
  text "GP0" at 141.595,87.371 h1
  text "GP0" at 144.135,87.371 h1
  text "GND" at 146.583,87.371 h1
  text "GP0" at 149.215,87.371 h1
  text "GP0" at 151.755,87.371 h1
  text "GP0" at 154.295,87.371 h1
  text "GP0" at 156.835,87.371 h1
  text "GND" at 159.283,87.371 h1
  text "GP0" at 136.515,84.831 h1
  text "GP0" at 139.055,84.831 h1
  text "GP0" at 141.595,84.831 h1
  text "GP0" at 144.135,84.831 h1
  text "PWR3" at 146.374,84.831 h1
  text "GP0" at 149.215,84.831 h1
  text "GP0" at 151.755,84.831 h1
  text "GP0" at 154.295,84.831 h1
  text "GP0" at 156.835,84.831 h1
Mechanical 15:
  lines w0.05: 133.35,86.995 133.35,111.125 135.255,113.03 159.385,113.03 161.29,111.125 161.29,88.9 161.29,86.995 159.385,85.09 135.255,85.09 133.35,86.995

## Text inside footprints (layer, text, board x,y; h text height)
D2: Top Assembly "K" at 147.72,105.582 h0.5 r90
Designator12: Top Assembly "1" at 138.957,89.983 h1
LOGO1: Top Overlay "0" at 176.585,132.944 h5 r270; Top Overlay "PUBLIC / DOMAIN" at 176.135,129.803 h2.5 r270
SW2: Top Assembly "1" at 155.478,103.795 h1 r90
SW3: Top Assembly "1" at 141.762,103.795 h1 r90
U2: Bottom Assembly "1" at 142.059,107.153 h0.3
U3: Bottom Assembly "1" at 148.925,91.452 h0.3 r270
U5: Bottom Assembly "1" at 142.854,91.47 h0.3 r270
U8: Bottom Assembly "1" at 154.818,91.502 h0.3 r270